# KiCad board open-TWIST_rev0.kicad_pcb
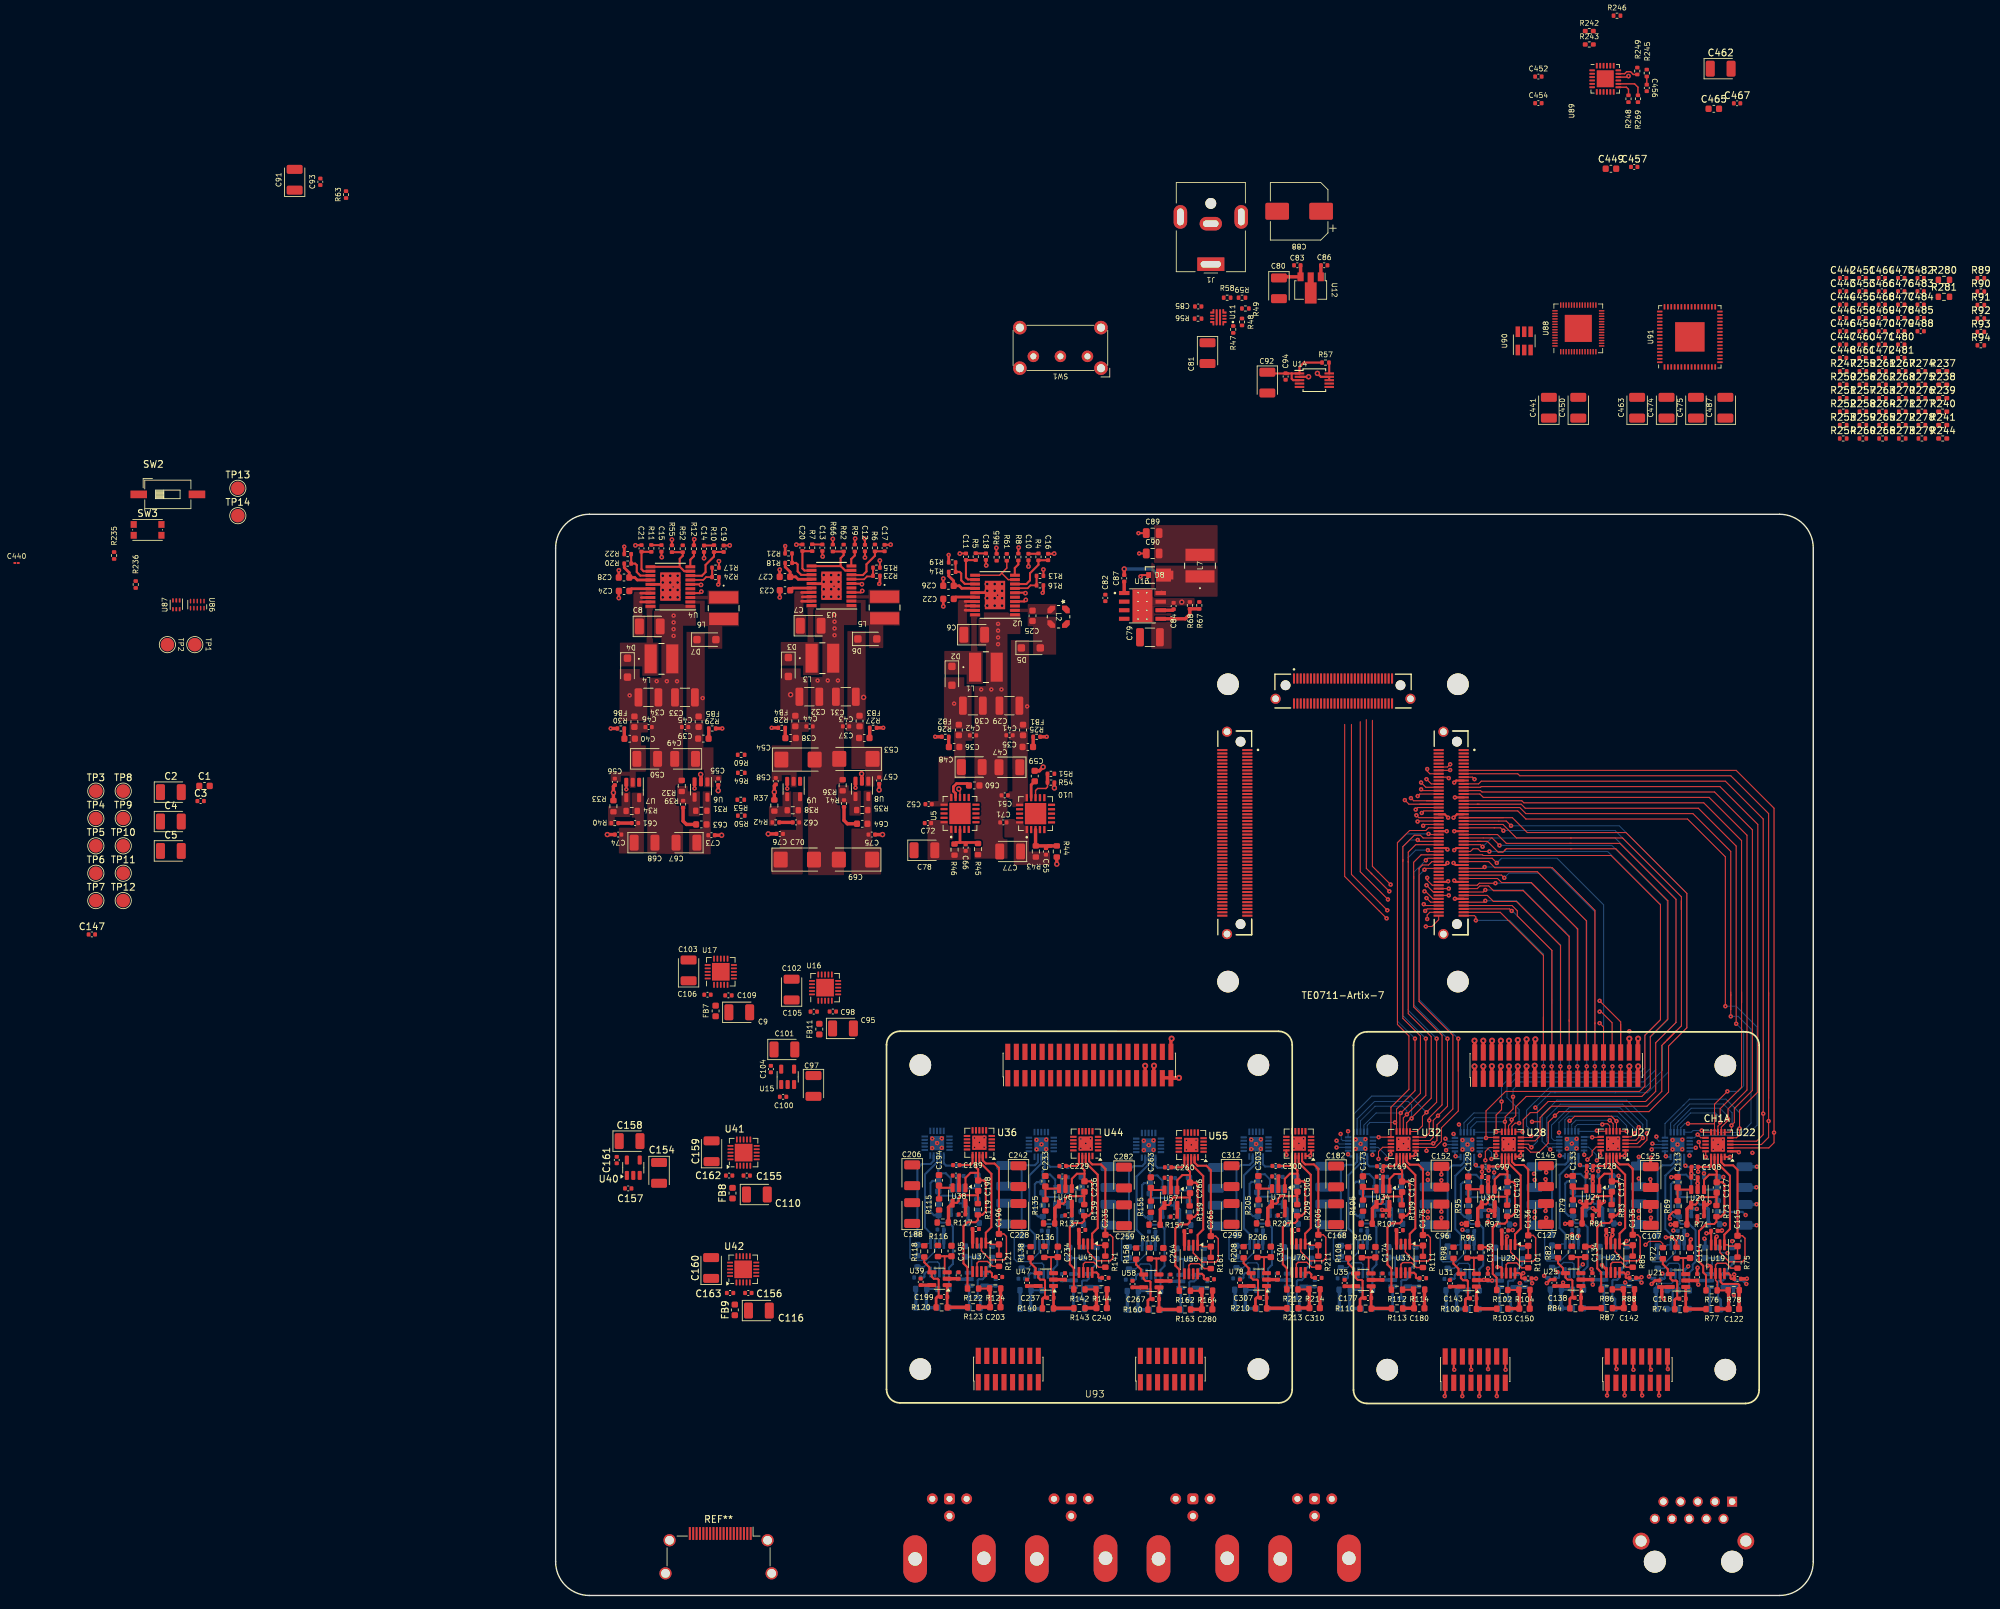
[diagram p0: board, top side]
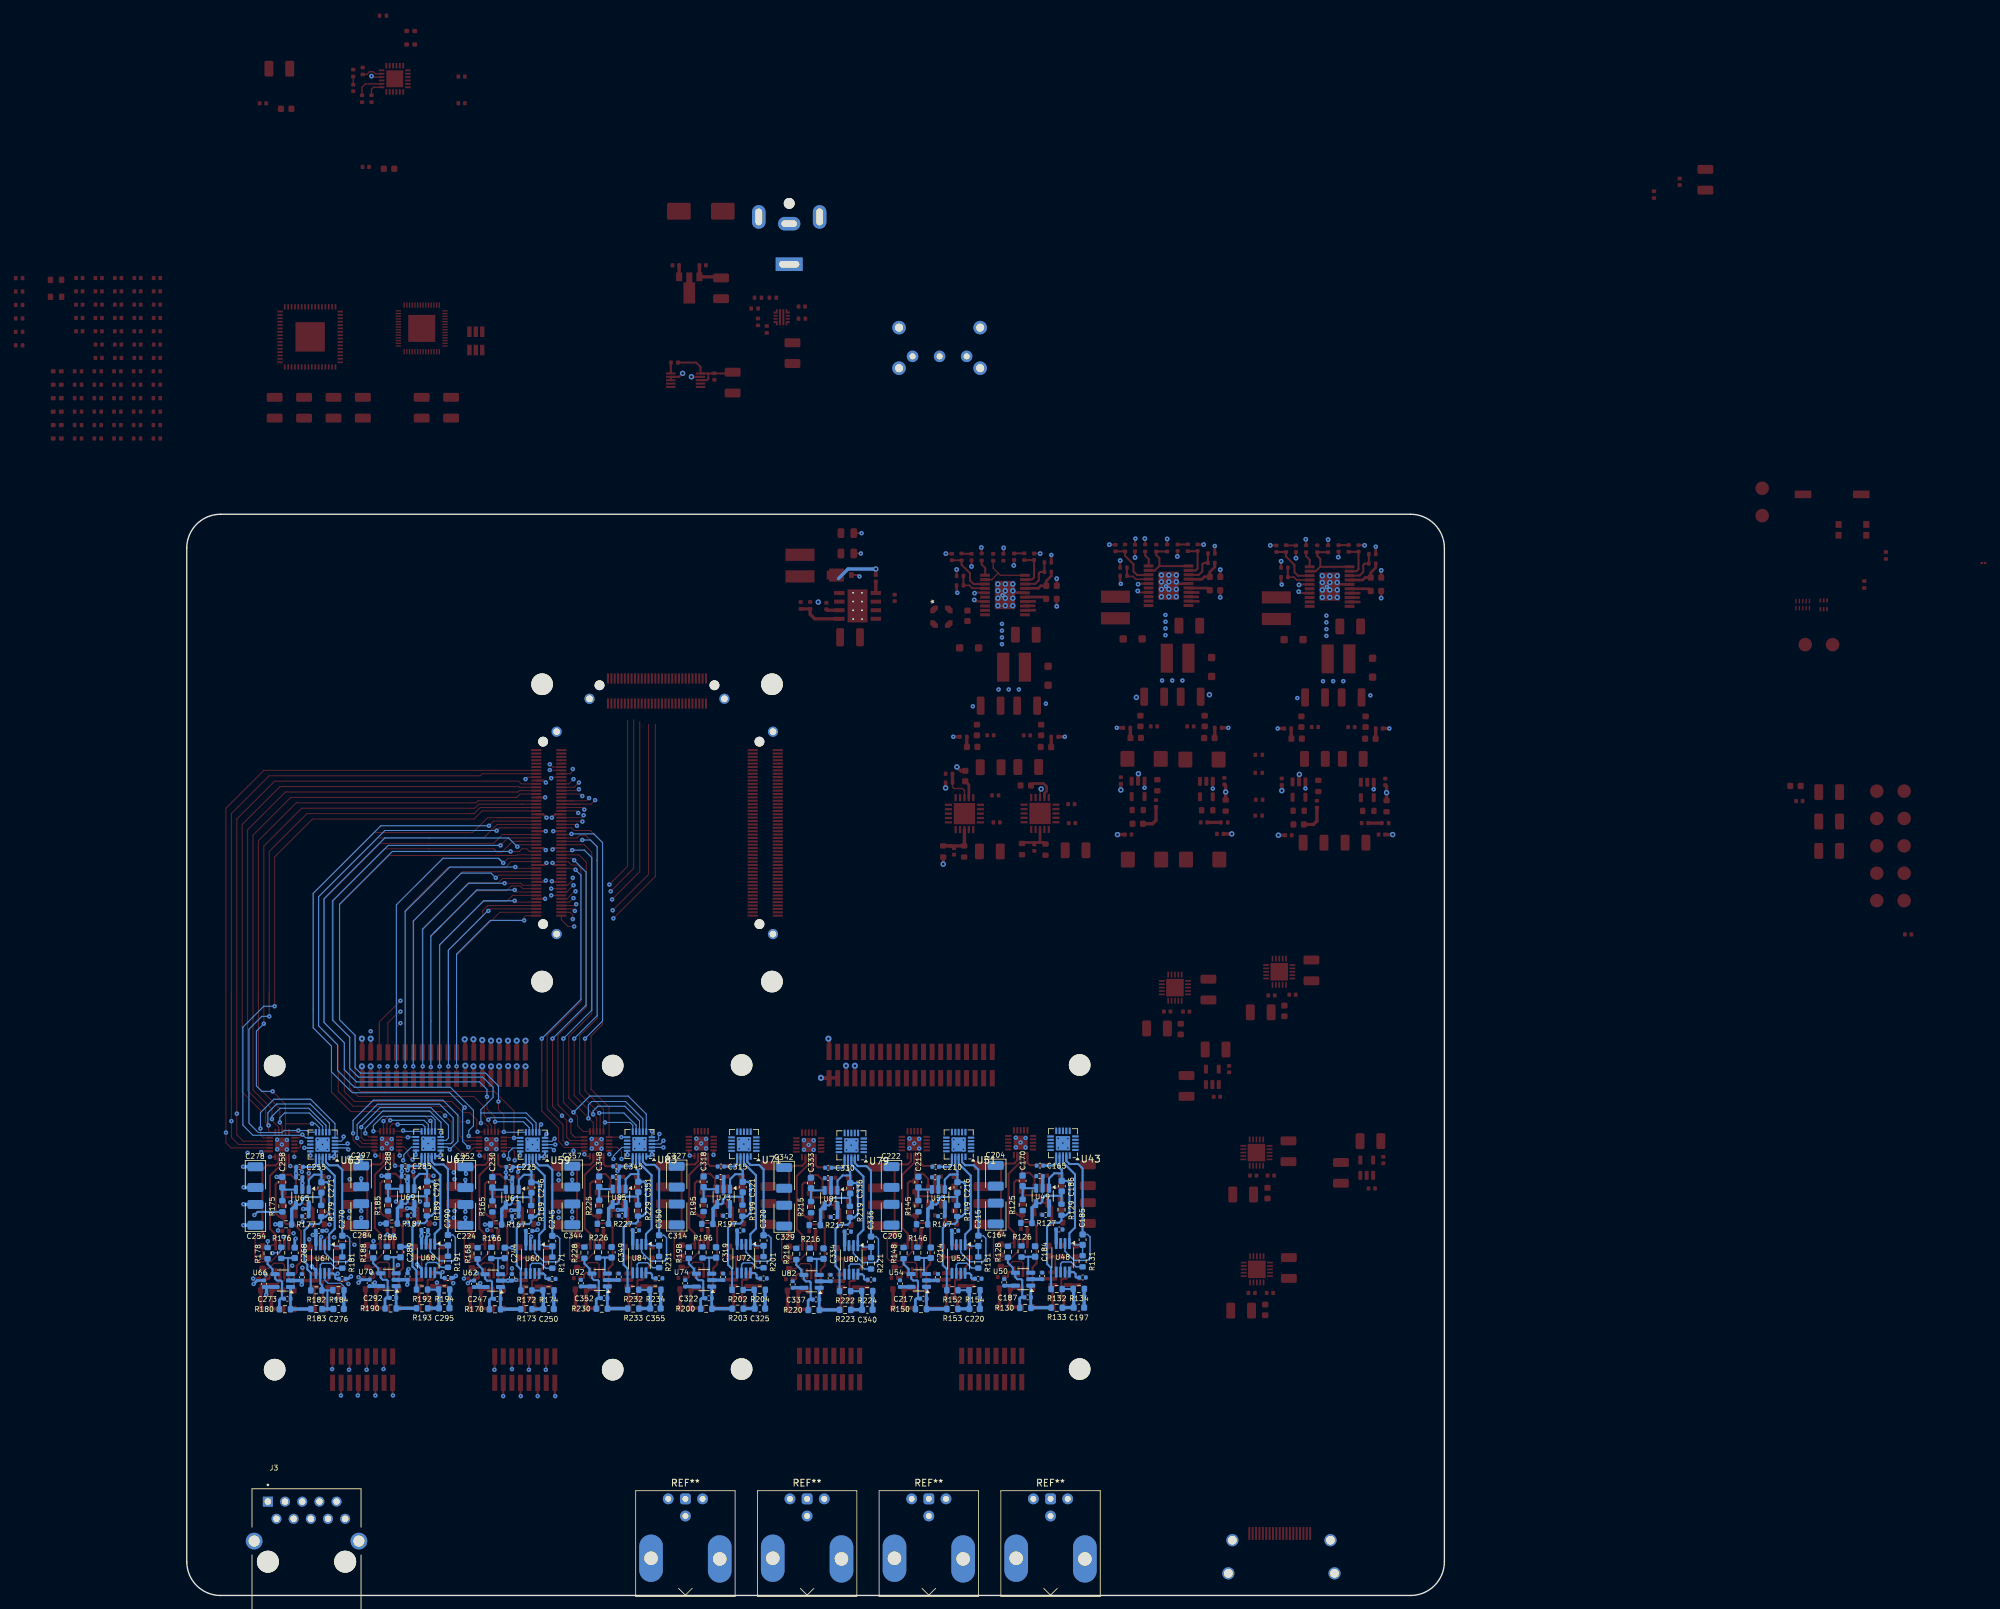
[diagram p1: board, bottom side, seen from below]

Outline 186 x 160 mm; copper layers: TOP SIG, GND1 (plane), IN1, PWR (plane), GND2 (plane), BOT SIG. Coordinates in mm from the lower left corner of the outline.
Outline path: 0,155 arc(1.46,158.54) 5,160 181,160 arc(184.54,158.54) 186,155 186,5 arc(184.54,1.46) 181,0 5,0 arc(1.46,1.46) 0,5 0,155
Stack: TOP SIG 0.035mm / dielectric 0.1mm FR4 er 4.5 / GND1 0.035mm / dielectric 0.535mm FR4 er 4.5 / IN1 0.035mm / dielectric 0.1mm FR4 er 4.5 / PWR 0.035mm / dielectric 0.535mm FR4 er 4.5 / GND2 0.035mm / dielectric 0.1mm FR4 er 4.5 / BOT SIG 0.035mm

## Placement (name value [footprint] x y rotation side)
C1  1uF  [C_0603_1608Metric]  -51.93 119.8 0 top
C2  10uF  [CP_EIA-3528-21_Kemet-B]  -56.91 118.88 0 top
C3  100nF  [C_0402_1005Metric]  -52.5 117.56 0 top
C4  2.2uF  [CP_EIA-3528-21_Kemet-B]  -56.91 114.53 0 top
C5  2.2uF  [CP_EIA-3528-21_Kemet-B]  -56.91 110.18 0 top
C6  10uF  [CP_EIA-3528-21_Kemet-B]  61.91 142.18 0 top
C7  10uF  [CP_EIA-3528-21_Kemet-B]  37.73 143.5 0 top
C8  10uF  [CP_EIA-3528-21_Kemet-B]  13.93 143.4 0 top
C9  10uF  [CP_EIA-3528-21_Kemet-B]  27.16 86.3 0 top
C10  47nF  [C_0402_1005Metric]  69.93 153.68 90 top
C11  47nF  [C_0402_1005Metric]  60.68 153.72 90 top
C12  47nF  [C_0402_1005Metric]  45.75 155 270 top
C13  47nF  [C_0402_1005Metric]  39.45 155.05 90 top
C14  47nF  [C_0402_1005Metric]  21.95 154.9 90 top
C15  47nF  [C_0402_1005Metric]  15.65 154.95 90 top
C16  47pF  [C_0402_1005Metric]  72.83 153.68 270 top
C17  47pF  [C_0402_1005Metric]  48.65 155 270 top
C18  47pF  [C_0402_1005Metric]  63.63 153.72 90 top
C19  47pF  [C_0402_1005Metric]  24.85 154.9 270 top
C20  47pF  [C_0402_1005Metric]  36.5 155.05 270 top
C21  47pF  [C_0402_1005Metric]  12.7 154.95 270 top
C22  1uF  [C_0603_1608Metric]  58.11 147.47 0 top
C23  1uF  [C_0603_1608Metric]  33.92 148.75 0 top
C24  1uF  [C_0603_1608Metric]  10.12 148.65 0 top
C25  1uF  [C_0603_1608Metric]  70.53 144.97 270 top
C26  1uF  [C_0603_1608Metric]  58.1 149.41 180 top
C27  1uF  [C_0603_1608Metric]  33.91 150.74 180 top
C28  1uF  [C_0603_1608Metric]  10.11 150.64 180 top
C29  10uF  [C_1210_3225Metric]  67.11 131.68 0 top
C30  10uF  [C_1210_3225Metric]  61.71 131.68 0 top
C31  10uF  [C_1210_3225Metric]  42.92 133 0 top
C32  10uF  [C_1210_3225Metric]  37.52 133 0 top
C33  10uF  [C_1210_3225Metric]  19.12 132.9 0 top
C34  10uF  [C_1210_3225Metric]  13.73 132.9 0 top
C35  1uF  [C_0603_1608Metric]  69.83 125.58 180 top
C36  1uF  [C_0603_1608Metric]  58.93 125.56 180 top
C37  1uF  [C_0603_1608Metric]  45.65 126.9 180 top
C38  1uF  [C_0603_1608Metric]  34.75 126.89 180 top
C39  1uF  [C_0603_1608Metric]  21.85 126.8 180 top
C40  1uF  [C_0603_1608Metric]  10.95 126.79 180 top
C41  100nF  [C_0402_1005Metric]  67.13 127.29 0 top
C42  100nF  [C_0402_1005Metric]  61.73 127.28 0 top
C43  100nF  [C_0402_1005Metric]  42.95 128.61 0 top
C44  100nF  [C_0402_1005Metric]  37.55 128.6 0 top
C45  100nF  [C_0402_1005Metric]  19.15 128.51 0 top
C46  100nF  [C_0402_1005Metric]  13.75 128.5 0 top
C47  10uF  [CP_EIA-3528-21_Kemet-B]  67.11 122.56 180 top
C48  10uF  [CP_EIA-3528-21_Kemet-B]  61.54 122.59 0 top
C49  10uF  [CP_EIA-3528-21_Kemet-B]  19.15 123.8 180 top
C50  10uF  [CP_EIA-3528-21_Kemet-B]  13.55 123.8 0 top
C51  100nF  [C_0402_1005Metric]  66.42 118.4 0 top
C52  100nF  [C_0402_1005Metric]  55.17 117.1 180 top
C53  10uF  [CP_EIA-6032-28_Kemet-C]  44.41 123.8 180 top
C54  10uF  [CP_EIA-6032-28_Kemet-C]  35.85 123.7 0 top
C55  100nF  [C_0402_1005Metric]  24.05 120.42 90 top
C56  100nF  [C_0402_1005Metric]  8.75 120.4 270 top
C57  100nF  [C_0402_1005Metric]  47.85 120.6 90 top
C58  100nF  [C_0402_1005Metric]  32.55 120.5 270 top
C59  1uF  [C_0603_1608Metric]  70.86 121.26 90 top
C60  1uF  [C_0603_1608Metric]  61.91 119.87 180 top
C61  330nF  [C_0402_1005Metric]  11.75 114.3 0 top
C62  330nF  [C_0402_1005Metric]  35.55 114.4 0 top
C63  1uF  [C_0603_1608Metric]  21.55 114.1 180 top
C64  1uF  [C_0603_1608Metric]  45.35 114.2 180 top
C65  10nF  [C_0402_1005Metric]  72.52 110.1 270 top
C66  10nF  [C_0402_1005Metric]  60.64 110.66 90 top
C67  10uF  [CP_EIA-3528-21_Kemet-B]  19.35 111.4 180 top
C68  10uF  [CP_EIA-3528-21_Kemet-B]  13.15 111.4 0 top
C69  10uF  [CP_EIA-6032-28_Kemet-C]  44.35 108.9 180 top
C70  10uF  [CP_EIA-6032-28_Kemet-C]  35.75 108.9 0 top
C71  100nF  [C_0402_1005Metric]  66.22 114.4 180 top
C72  100nF  [C_0402_1005Metric]  55.06 114.3 180 top
C73  100nF  [C_0402_1005Metric]  23.05 112.5 180 top
C74  100nF  [C_0402_1005Metric]  9.25 112.6 180 top
C75  100nF  [C_0402_1005Metric]  46.75 112.6 180 top
C76  100nF  [C_0402_1005Metric]  33.15 112.7 180 top
C77  22uF  [CP_EIA-3528-21_Kemet-B]  67.22 110.1 180 top
C78  22uF  [CP_EIA-3528-21_Kemet-B]  54.55 110.28 0 top
C79  10uF  [C_1210_3225Metric]  87.9 141.8 180 top
C80  10uF  [CP_EIA-3528-21_Kemet-B]  106.97 193.44 270 top
C81  10uF  [CP_EIA-3528-21_Kemet-B]  96.42 183.85 270 top
C82  100nF  [C_0402_1005Metric]  81.3 147.62 90 top
C83  100nF  [C_0402_1005Metric]  109.69 196.84 180 top
C84  4.7nF  [C_0402_1005Metric]  91.4 146.42 90 top
C85  ??  [C_0402_1005Metric]  95.03 190.75 180 top
C86  100nF  [C_0402_1005Metric]  113.68 196.84 0 top
C87  100nF  [C_0402_1005Metric]  84.1 150.52 90 top
C88  220uF  [CP_Elec_8x10]  109.97 204.84 180 top
C89  4.7uF  [C_0805_2012Metric]  88.3 157.21 0 top
C90  4.7uF  [C_0805_2012Metric]  88.3 154.2 0 top
C91  10uF  [CP_EIA-3528-21_Kemet-B]  -38.6 209.5 90 top
C92  10uF  [CP_EIA-3528-21_Kemet-B]  105.26 179.49 270 top
C93  100nF  [C_0402_1005Metric]  -34.8 209.2 90 top
C94  100nF  [C_0402_1005Metric]  107.96 180.38 270 top
C95  10uF  [CP_EIA-3528-21_Kemet-B]  42.5 83.91 0 top
C96  10uF  [CP_EIA-3528-21_Kemet-B]  131 56.38 90 top
C97  10uF  [CP_EIA-3528-21_Kemet-B]  38.14 75.4 270 top
C98  100nF  [C_0402_1005Metric]  41 86.41 180 top
C99  100nF  [C_0402_1005Metric]  137.53 63.47 0 top
C100  100nF  [C_0402_1005Metric]  33.64 73.8 0 top
C101  10uF  [CP_EIA-3528-21_Kemet-B]  33.84 80.8 0 top
C102  10uF  [CP_EIA-3528-21_Kemet-B]  34.9 89.66 90 top
C103  10uF  [CP_EIA-3528-21_Kemet-B]  19.66 92.5 90 top
C104  100nF  [C_0402_1005Metric]  31.84 77.9 90 top
C105  100nF  [C_0402_1005Metric]  38.18 86.4 0 top
C106  100nF  [C_0402_1005Metric]  22.46 88.9 0 top
C107  10uF  [CP_EIA-3528-21_Kemet-B]  161.96 56.33 90 top
C108  100nF  [C_0402_1005Metric]  168.49 63.42 0 top
C109  100nF  [C_0402_1005Metric]  25.56 88.8 180 top
C110  10uF  [CP_EIA-3528-21_Kemet-B]  29.76 59.34 0 top
C111  100nF  [C_0402_1005Metric]  168.44 61.87 0 top
C112  100nF  [C_0402_1005Metric]  169.34 56.12 0 top
C113  1uF  [C_0603_1608Metric]  165.93 61.16 270 top
C114  1uF  [C_0603_1608Metric]  167.78 50.71 270 top
C115  62pF  [C_0603_1608Metric]  174.8 52.46 270 top
C116  10uF  [CP_EIA-3528-21_Kemet-B]  30.06 42.16 0 top
C117  680nF  [C_0603_1608Metric]  171.72 60.38 90 top
C118  100nF  [C_0402_1005Metric]  166.69 43.91 0 top
C119  100nF  [C_0402_1005Metric]  168.83 47.08 270 top
C120  100nF  [C_0402_1005Metric]  137.48 61.92 0 top
C121  100nF  [C_0402_1005Metric]  163.22 46.13 270 top
C122  15pF  [C_0603_1608Metric]  174.25 42.4 0 top
C123  100nF  [C_0402_1005Metric]  138.38 56.17 0 top
C124  100nF  [C_0402_1005Metric]  174.8 46.86 180 top
C125  10uF  [CP_EIA-3528-21_Kemet-B]  161.96 61.91 270 top
C126  100nF  [C_0402_1005Metric]  171.36 53.96 180 top
C127  10uF  [CP_EIA-3528-21_Kemet-B]  146.46 56.47 90 top
C128  100nF  [C_0402_1005Metric]  152.99 63.56 0 top
C129  1uF  [C_0603_1608Metric]  134.97 61.22 270 top
C130  1uF  [C_0603_1608Metric]  136.82 50.76 270 top
C131  100nF  [C_0402_1005Metric]  152.94 62.01 0 top
C132  100nF  [C_0402_1005Metric]  153.84 56.26 0 top
C133  1uF  [C_0603_1608Metric]  150.43 61.3 270 top
C134  1uF  [C_0603_1608Metric]  152.28 50.85 270 top
C135  62pF  [C_0603_1608Metric]  159.3 52.6 270 top
C136  62pF  [C_0603_1608Metric]  143.84 52.51 270 top
C137  680nF  [C_0603_1608Metric]  156.22 60.52 90 top
C138  100nF  [C_0402_1005Metric]  151.19 44.06 0 top
C139  100nF  [C_0402_1005Metric]  153.33 47.22 270 top
C140  680nF  [C_0603_1608Metric]  140.76 60.43 90 top
C141  100nF  [C_0402_1005Metric]  147.72 46.28 270 top
C142  15pF  [C_0603_1608Metric]  158.75 42.54 0 top
C143  100nF  [C_0402_1005Metric]  135.72 43.97 0 top
C144  100nF  [C_0402_1005Metric]  159.3 47 180 top
C145  10uF  [CP_EIA-3528-21_Kemet-B]  146.46 62.05 270 top
C146  100nF  [C_0402_1005Metric]  155.86 54.1 180 top
C147  100nF  [C_0402_1005Metric]  -68.59 97.82 0 top
C148  100nF  [C_0402_1005Metric]  137.87 47.14 270 top
C149  100nF  [C_0402_1005Metric]  132.26 46.19 270 top
C150  15pF  [C_0603_1608Metric]  143.29 42.46 0 top
C151  100nF  [C_0402_1005Metric]  143.84 46.91 180 top
C152  10uF  [CP_EIA-3528-21_Kemet-B]  131 61.96 270 top
C153  100nF  [C_0402_1005Metric]  140.4 54.02 180 top
C154  10uF  [CP_EIA-3528-21_Kemet-B]  15.3 62.54 270 top
C155  100nF  [C_0402_1005Metric]  28.26 62.14 180 top
C156  100nF  [C_0402_1005Metric]  28.5 44.76 180 top
C157  100nF  [C_0402_1005Metric]  10.74 60.24 0 top
C158  10uF  [CP_EIA-3528-21_Kemet-B]  10.94 67.24 0 top
C159  10uF  [CP_EIA-3528-21_Kemet-B]  23.06 65.74 90 top
C160  10uF  [CP_EIA-3528-21_Kemet-B]  23 48.46 90 top
C161  100nF  [C_0402_1005Metric]  9.04 64.44 90 top
C162  100nF  [C_0402_1005Metric]  25.66 62.14 0 top
C163  100nF  [C_0402_1005Metric]  25.8 44.76 0 top
C164  10uF  [CP_EIA-3528-21_Kemet-B]  66.35 56.52 90 bottom
C165  100nF  [C_0402_1005Metric]  59.82 63.62 180 bottom
C166  100nF  [C_0402_1005Metric]  59.87 62.07 180 bottom
C167  100nF  [C_0402_1005Metric]  58.97 56.32 180 bottom
C168  10uF  [CP_EIA-3528-21_Kemet-B]  115.43 56.42 90 top
C169  100nF  [C_0402_1005Metric]  121.96 63.52 0 top
C170  1uF  [C_0603_1608Metric]  62.38 61.36 270 bottom
C171  100nF  [C_0402_1005Metric]  121.91 61.97 0 top
C172  100nF  [C_0402_1005Metric]  122.81 56.22 0 top
C173  1uF  [C_0603_1608Metric]  119.4 61.26 270 top
C174  1uF  [C_0603_1608Metric]  121.25 50.81 270 top
C175  62pF  [C_0603_1608Metric]  128.27 52.56 270 top
C176  680nF  [C_0603_1608Metric]  125.19 60.47 90 top
C177  100nF  [C_0402_1005Metric]  120.16 44.01 0 top
C178  100nF  [C_0402_1005Metric]  122.3 47.18 270 top
C179  100nF  [C_0402_1005Metric]  116.69 46.23 270 top
C180  15pF  [C_0603_1608Metric]  127.72 42.5 0 top
C181  100nF  [C_0402_1005Metric]  128.27 46.96 180 top
C182  10uF  [CP_EIA-3528-21_Kemet-B]  115.43 62.01 270 top
C183  100nF  [C_0402_1005Metric]  124.83 54.06 180 top
C184  1uF  [C_0603_1608Metric]  60.53 50.91 270 bottom
C185  62pF  [C_0603_1608Metric]  53.51 52.66 270 bottom
C186  680nF  [C_0603_1608Metric]  56.59 60.58 90 bottom
C187  100nF  [C_0402_1005Metric]  61.62 44.11 180 bottom
C188  10uF  [CP_EIA-3528-21_Kemet-B]  52.73 56.59 90 top
C189  100nF  [C_0402_1005Metric]  59.26 63.69 0 top
C190  100nF  [C_0402_1005Metric]  59.48 47.28 270 bottom
C191  100nF  [C_0402_1005Metric]  65.09 46.33 270 bottom
C192  100nF  [C_0402_1005Metric]  59.21 62.14 0 top
C193  100nF  [C_0402_1005Metric]  60.11 56.39 0 top
C194  1uF  [C_0603_1608Metric]  56.7 61.43 270 top
C195  1uF  [C_0603_1608Metric]  58.55 50.98 270 top
C196  62pF  [C_0603_1608Metric]  65.57 52.73 270 top
C197  15pF  [C_0603_1608Metric]  54.06 42.6 180 bottom
C198  680nF  [C_0603_1608Metric]  62.49 60.65 90 top
C199  100nF  [C_0402_1005Metric]  57.45 44.19 0 top
C200  100nF  [C_0402_1005Metric]  59.6 47.36 270 top
C201  100nF  [C_0402_1005Metric]  53.51 47.06 0 bottom
C202  100nF  [C_0402_1005Metric]  53.99 46.41 270 top
C203  15pF  [C_0603_1608Metric]  65.02 42.67 0 top
C204  10uF  [CP_EIA-3528-21_Kemet-B]  66.35 62.11 270 bottom
C205  100nF  [C_0402_1005Metric]  65.57 47.13 180 top
C206  10uF  [CP_EIA-3528-21_Kemet-B]  52.73 62.18 270 top
C207  100nF  [C_0402_1005Metric]  62.13 54.23 180 top
C208  100nF  [C_0402_1005Metric]  56.95 54.16 0 bottom
C209  10uF  [CP_EIA-3528-21_Kemet-B]  81.77 56.34 90 bottom
C210  100nF  [C_0402_1005Metric]  75.24 63.44 180 bottom
C211  100nF  [C_0402_1005Metric]  75.29 61.89 180 bottom
C212  100nF  [C_0402_1005Metric]  74.39 56.14 180 bottom
C213  1uF  [C_0603_1608Metric]  77.8 61.18 270 bottom
C214  1uF  [C_0603_1608Metric]  75.95 50.72 270 bottom
C215  62pF  [C_0603_1608Metric]  68.93 52.48 270 bottom
C216  680nF  [C_0603_1608Metric]  72.01 60.39 90 bottom
C217  100nF  [C_0402_1005Metric]  77.05 43.93 180 bottom
C218  100nF  [C_0402_1005Metric]  74.9 47.1 270 bottom
C219  100nF  [C_0402_1005Metric]  80.51 46.15 270 bottom
C220  15pF  [C_0603_1608Metric]  69.48 42.42 180 bottom
C221  100nF  [C_0402_1005Metric]  68.93 46.88 0 bottom
C222  10uF  [CP_EIA-3528-21_Kemet-B]  81.77 61.92 270 bottom
C223  100nF  [C_0402_1005Metric]  72.37 53.98 0 bottom
C224  10uF  [CP_EIA-3528-21_Kemet-B]  144.78 56.31 90 bottom
C225  100nF  [C_0402_1005Metric]  138.25 63.41 180 bottom
C226  100nF  [C_0402_1005Metric]  138.3 61.86 180 bottom
C227  100nF  [C_0402_1005Metric]  137.4 56.11 180 bottom
C228  10uF  [CP_EIA-3528-21_Kemet-B]  68.46 56.47 90 top
C229  100nF  [C_0402_1005Metric]  74.99 63.56 0 top
C230  1uF  [C_0603_1608Metric]  140.81 61.15 270 bottom
C231  100nF  [C_0402_1005Metric]  74.94 62.01 0 top
C232  100nF  [C_0402_1005Metric]  75.84 56.26 0 top
C233  1uF  [C_0603_1608Metric]  72.43 61.3 270 top
C234  1uF  [C_0603_1608Metric]  74.28 50.85 270 top
C235  62pF  [C_0603_1608Metric]  81.3 52.6 270 top
C236  680nF  [C_0603_1608Metric]  78.22 60.52 90 top
C237  100nF  [C_0402_1005Metric]  73.19 44.06 0 top
C238  100nF  [C_0402_1005Metric]  75.33 47.22 270 top
C239  100nF  [C_0402_1005Metric]  69.72 46.28 270 top
C240  15pF  [C_0603_1608Metric]  80.75 42.54 0 top
C241  100nF  [C_0402_1005Metric]  81.3 47 180 top
C242  10uF  [CP_EIA-3528-21_Kemet-B]  68.46 62.05 270 top
C243  100nF  [C_0402_1005Metric]  77.86 54.1 180 top
C244  1uF  [C_0603_1608Metric]  138.96 50.69 270 bottom
C245  62pF  [C_0603_1608Metric]  131.94 52.45 270 bottom
C246  680nF  [C_0603_1608Metric]  135.02 60.36 90 bottom
C247  100nF  [C_0402_1005Metric]  140.06 43.9 180 bottom
C248  100nF  [C_0402_1005Metric]  137.91 47.07 270 bottom
C249  100nF  [C_0402_1005Metric]  143.52 46.12 270 bottom
C250  15pF  [C_0603_1608Metric]  132.49 42.39 180 bottom
C251  100nF  [C_0402_1005Metric]  131.94 46.85 0 bottom
C252  10uF  [CP_EIA-3528-21_Kemet-B]  144.78 61.9 270 bottom
C253  100nF  [C_0402_1005Metric]  135.38 53.95 0 bottom
C254  10uF  [CP_EIA-3528-21_Kemet-B]  175.84 56.33 90 bottom
C255  100nF  [C_0402_1005Metric]  169.31 63.42 180 bottom
C256  100nF  [C_0402_1005Metric]  169.36 61.87 180 bottom
C257  100nF  [C_0402_1005Metric]  168.46 56.12 180 bottom
C258  1uF  [C_0603_1608Metric]  171.87 61.16 270 bottom
C259  10uF  [CP_EIA-3528-21_Kemet-B]  84.06 56.27 90 top
C260  100nF  [C_0402_1005Metric]  90.59 63.36 0 top
C261  100nF  [C_0402_1005Metric]  90.54 61.81 0 top
C262  100nF  [C_0402_1005Metric]  91.44 56.06 0 top
C263  1uF  [C_0603_1608Metric]  88.03 61.1 270 top
C264  1uF  [C_0603_1608Metric]  89.88 50.65 270 top
C265  62pF  [C_0603_1608Metric]  96.9 52.4 270 top
C266  680nF  [C_0603_1608Metric]  93.82 60.32 90 top
C267  100nF  [C_0402_1005Metric]  88.78 43.85 0 top
C268  1uF  [C_0603_1608Metric]  170.03 50.71 270 bottom
C269  100nF  [C_0402_1005Metric]  90.93 47.03 270 top
C270  62pF  [C_0603_1608Metric]  163 52.46 270 bottom
C271  680nF  [C_0603_1608Metric]  166.08 60.38 90 bottom
C272  100nF  [C_0402_1005Metric]  85.32 46.08 270 top
C273  100nF  [C_0402_1005Metric]  171.12 43.91 180 bottom
C274  100nF  [C_0402_1005Metric]  168.97 47.08 270 bottom
C275  100nF  [C_0402_1005Metric]  174.58 46.14 270 bottom
C276  15pF  [C_0603_1608Metric]  163.55 42.4 180 bottom
C277  100nF  [C_0402_1005Metric]  163 46.86 0 bottom
C278  10uF  [CP_EIA-3528-21_Kemet-B]  175.84 61.91 270 bottom
C279  100nF  [C_0402_1005Metric]  166.44 53.96 0 bottom
C280  15pF  [C_0603_1608Metric]  96.35 42.34 0 top
C281  100nF  [C_0402_1005Metric]  96.9 46.8 180 top
C282  10uF  [CP_EIA-3528-21_Kemet-B]  84.06 61.85 270 top
C283  100nF  [C_0402_1005Metric]  93.46 53.9 180 top
C284  10uF  [CP_EIA-3528-21_Kemet-B]  160.21 56.44 90 bottom
C285  100nF  [C_0402_1005Metric]  153.68 63.54 180 bottom
C286  100nF  [C_0402_1005Metric]  153.73 61.99 180 bottom
C287  100nF  [C_0402_1005Metric]  152.83 56.24 180 bottom
C288  1uF  [C_0603_1608Metric]  156.24 61.28 270 bottom
C289  1uF  [C_0603_1608Metric]  154.4 50.83 270 bottom
C290  62pF  [C_0603_1608Metric]  147.37 52.58 270 bottom
C291  680nF  [C_0603_1608Metric]  150.45 60.5 90 bottom
C292  100nF  [C_0402_1005Metric]  155.49 44.03 180 bottom
C293  100nF  [C_0402_1005Metric]  153.34 47.2 270 bottom
C294  100nF  [C_0402_1005Metric]  158.95 46.25 270 bottom
C295  15pF  [C_0603_1608Metric]  147.92 42.52 180 bottom
C296  100nF  [C_0402_1005Metric]  147.37 46.98 0 bottom
C297  10uF  [CP_EIA-3528-21_Kemet-B]  160.21 62.03 270 bottom
C298  100nF  [C_0402_1005Metric]  150.81 54.08 0 bottom
C299  10uF  [CP_EIA-3528-21_Kemet-B]  99.96 56.47 90 top
C300  100nF  [C_0402_1005Metric]  106.49 63.56 0 top
C301  100nF  [C_0402_1005Metric]  106.44 62.01 0 top
C302  100nF  [C_0402_1005Metric]  107.34 56.26 0 top
C303  1uF  [C_0603_1608Metric]  103.93 61.3 270 top
C304  1uF  [C_0603_1608Metric]  105.78 50.85 270 top
C305  62pF  [C_0603_1608Metric]  112.8 52.6 270 top
C306  680nF  [C_0603_1608Metric]  109.72 60.52 90 top
C307  100nF  [C_0402_1005Metric]  104.69 44.06 0 top
C308  100nF  [C_0402_1005Metric]  106.83 47.22 270 top
C309  100nF  [C_0402_1005Metric]  101.22 46.28 270 top
C310  15pF  [C_0603_1608Metric]  112.25 42.54 0 top
C311  100nF  [C_0402_1005Metric]  112.8 47 180 top
C312  10uF  [CP_EIA-3528-21_Kemet-B]  99.96 62.05 270 top
C313  100nF  [C_0402_1005Metric]  109.36 54.1 180 top
C314  10uF  [CP_EIA-3528-21_Kemet-B]  113.53 56.38 90 bottom
C315  100nF  [C_0402_1005Metric]  107 63.48 180 bottom
C316  100nF  [C_0402_1005Metric]  107.05 61.93 180 bottom
C317  100nF  [C_0402_1005Metric]  106.15 56.18 180 bottom
C318  1uF  [C_0603_1608Metric]  109.56 61.22 270 bottom
C319  1uF  [C_0603_1608Metric]  107.72 50.77 270 bottom
C320  62pF  [C_0603_1608Metric]  100.69 52.52 270 bottom
C321  680nF  [C_0603_1608Metric]  103.77 60.44 90 bottom
C322  100nF  [C_0402_1005Metric]  108.81 43.97 180 bottom
C323  100nF  [C_0402_1005Metric]  106.67 47.14 270 bottom
C324  100nF  [C_0402_1005Metric]  112.28 46.19 270 bottom
C325  15pF  [C_0603_1608Metric]  101.24 42.46 180 bottom